# EAGLE board 14202-RedBoard-Panel (EAGLE 9.0.1), part 4 of 6
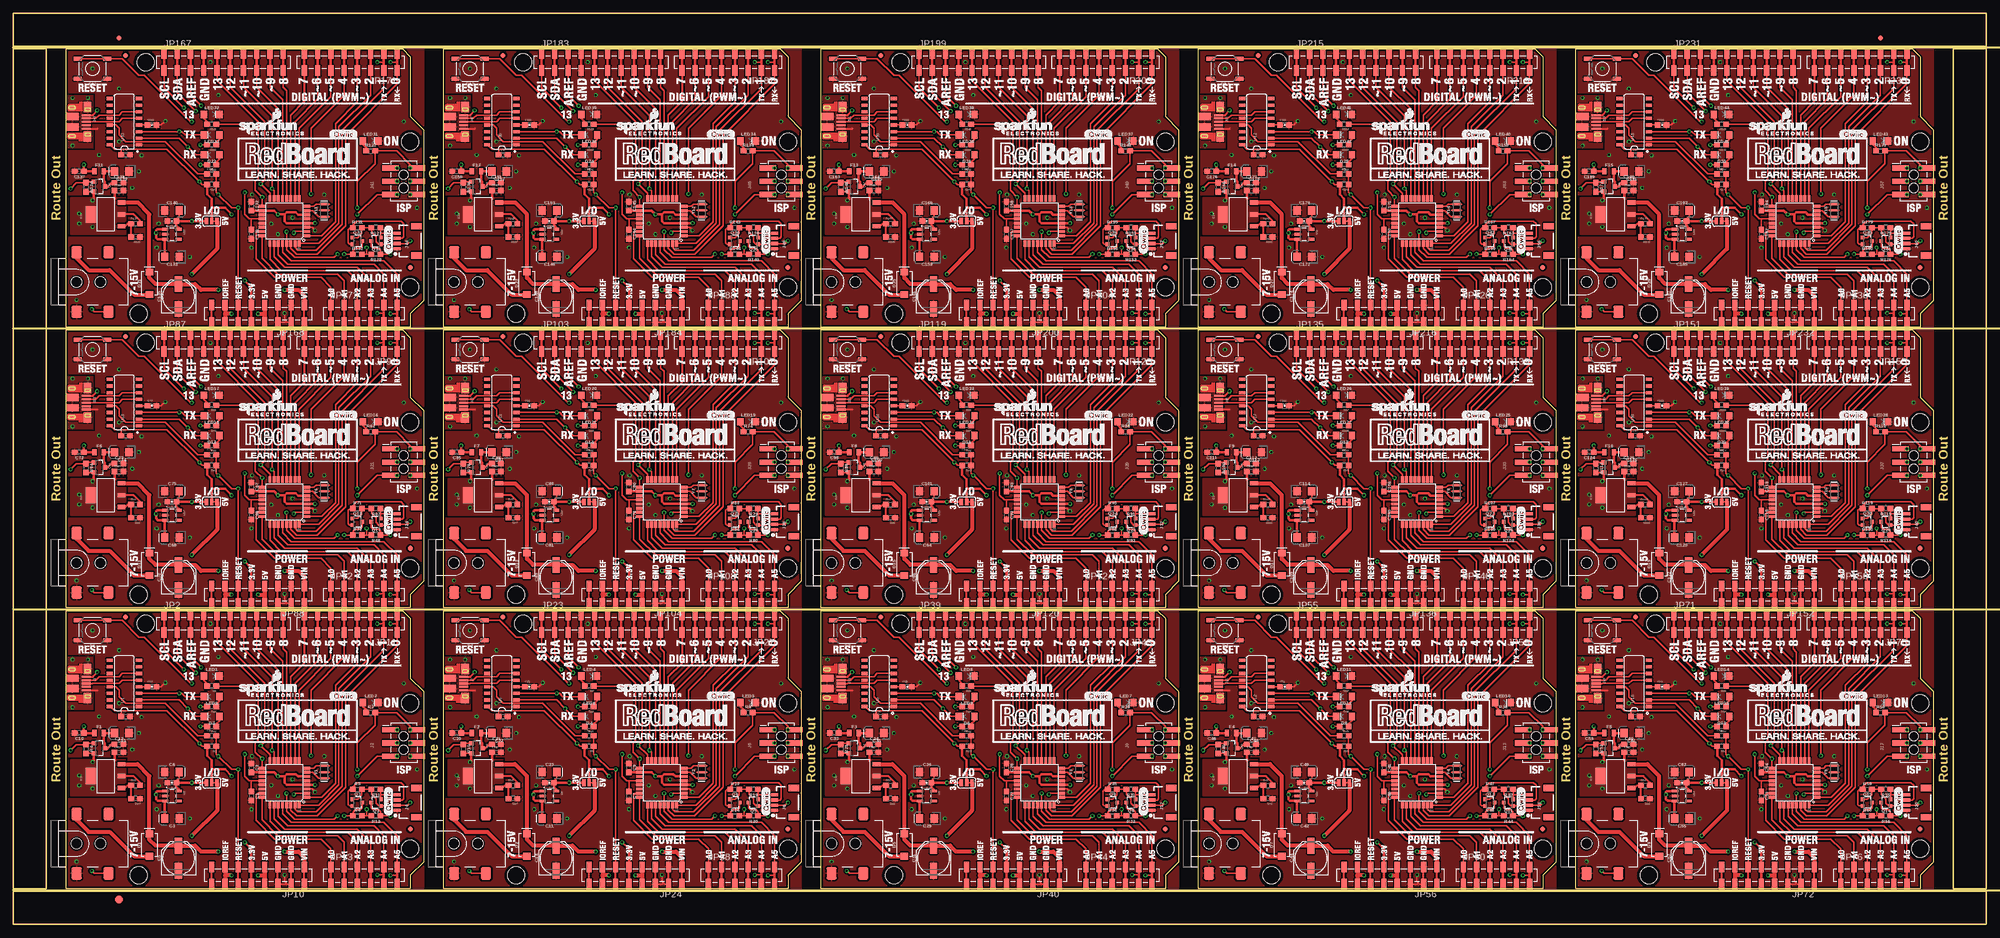
[diagram p0: board, top side]
## Tracks (layer width: path | path; a pad name or v marks a point on that pad's centre or on a via) (continued)
GND13  (via drill 0.38, 0.38 pad 0.51) (continued)
  other vias: 232.41,164.08 292.1,153.92 267.97,132.33 255.02,165.35 270.76,135.51 276.86,139.95 263.02,139.95 229.36,119.76 256.54,159 294.64,137.41 245.11,134.37 244.73,129.79 293.37,139.95 233.68,147.57 241.3,144.4 241.81,147.45 240.03,141.22 237.49,150.11 237.49,160.27 251.08,128.02 262.89,129.79 266.7,134.37
  pour Top (isolate 0.305, rank 2): 227.33,167.89 295.91,167.89 295.91,114.55 227.33,114.55
  pour Bottom (isolate 0.305, rank 2): 227.33,167.89 295.91,167.89 295.91,114.55 227.33,114.55
GND14  (via drill 0.38, 0.38 pad 0.51)
  Top 0.254: 342.9,115.44 342.14,115.44 341.95,115.63 341.63,115.95 v341.63,117.22 | C194.2 318.01,153.29 v318.77,154.05
  Top 0.305: U43.3 346.89,133.67 v347.47,133.1 | JP232.3 341.76,115.44 341.95,115.63
  Top 0.381: J59.GND 305.76,152.59
  other vias: 304.8,164.08 364.49,153.92 340.36,132.33 327.41,165.35 343.15,135.51 349.25,139.95 335.41,139.95 301.75,119.76 328.93,159 367.03,137.41 317.5,134.37 317.12,129.79 365.76,139.95 306.07,147.57 313.69,144.4 314.2,147.45 312.42,141.22 309.88,150.11 309.88,160.27 323.47,128.02 335.28,129.79 339.09,134.37
  pour Top (isolate 0.305, rank 2): 299.72,167.89 368.3,167.89 368.3,114.55 299.72,114.55
  pour Bottom (isolate 0.305, rank 2): 299.72,167.89 368.3,167.89 368.3,114.55 299.72,114.55
INSERT  (via drill 0.38)
  Top 0.305: J3.P$4 15.61,9.79 v15.11,10.29 | Q1.1 14.2,34.73 R4.1 12.15,34.5 v11.05,33.4
  Bottom 0.305: v15.11,10.29 15.11,19.18 11.05,23.24 v11.05,33.4
INSERT1  (via drill 0.38)
  Top 0.305: J6.P$4 88,9.79 v87.5,10.29 | Q4.1 86.59,34.73 R10.1 84.54,34.5 v83.44,33.4
  Bottom 0.305: v87.5,10.29 87.5,19.18 83.44,23.24 v83.44,33.4
INSERT2  (via drill 0.38)
  Top 0.305: J10.P$4 160.39,9.79 v159.89,10.29 | Q7.1 158.98,34.73 R28.1 156.93,34.5 v155.83,33.4
  Bottom 0.305: v159.89,10.29 159.89,19.18 155.83,23.24 v155.83,33.4
INSERT3  (via drill 0.38)
  Top 0.305: J14.P$4 232.78,9.79 v232.28,10.29 | Q10.1 231.37,34.73 R40.1 229.32,34.5 v228.22,33.4
  Bottom 0.305: v232.28,10.29 232.28,19.18 228.22,23.24 v228.22,33.4
INSERT4  (via drill 0.38)
  Top 0.305: J18.P$4 305.17,9.79 v304.67,10.29 | Q13.1 303.76,34.73 R52.1 301.71,34.5 v300.61,33.4
  Bottom 0.305: v304.67,10.29 304.67,19.18 300.61,23.24 v300.61,33.4
INSERT5  (via drill 0.38)
  Top 0.305: J22.P$4 15.61,63.64 v15.11,64.14 | Q16.1 14.2,88.58 R64.1 12.15,88.35 v11.05,87.25
  Bottom 0.305: v15.11,64.14 15.11,73.03 11.05,77.09 v11.05,87.25
INSERT6  (via drill 0.38)
  Top 0.305: J26.P$4 88,63.64 v87.5,64.14 | Q19.1 86.59,88.58 R76.1 84.54,88.35 v83.44,87.25
  Bottom 0.305: v87.5,64.14 87.5,73.03 83.44,77.09 v83.44,87.25
INSERT7  (via drill 0.38)
  Top 0.305: J30.P$4 160.39,63.64 v159.89,64.14 | Q22.1 158.98,88.58 R88.1 156.93,88.35 v155.83,87.25
  Bottom 0.305: v159.89,64.14 159.89,73.03 155.83,77.09 v155.83,87.25
INSERT8  (via drill 0.38)
  Top 0.305: J34.P$4 232.78,63.64 v232.28,64.14 | Q25.1 231.37,88.58 R100.1 229.32,88.35 v228.22,87.25
  Bottom 0.305: v232.28,64.14 232.28,73.03 228.22,77.09 v228.22,87.25
INSERT9  (via drill 0.38)
  Top 0.305: J38.P$4 305.17,63.64 v304.67,64.14 | Q28.1 303.76,88.58 R112.1 301.71,88.35 v300.61,87.25
  Bottom 0.305: v304.67,64.14 304.67,73.03 300.61,77.09 v300.61,87.25
INSERT10  (via drill 0.38)
  Top 0.305: J42.P$4 15.61,117.49 v15.11,117.98 | Q31.1 14.2,142.43 R124.1 12.15,142.2 v11.05,141.1
  Bottom 0.305: v15.11,117.98 15.11,126.87 11.05,130.94 v11.05,141.1
INSERT11  (via drill 0.38)
  Top 0.305: J46.P$4 88,117.49 v87.5,117.98 | Q34.1 86.59,142.43 R136.1 84.54,142.2 v83.44,141.1
  Bottom 0.305: v87.5,117.98 87.5,126.87 83.44,130.94 v83.44,141.1
INSERT12  (via drill 0.38)
  Top 0.305: J50.P$4 160.39,117.49 v159.89,117.98 | Q37.1 158.98,142.43 R148.1 156.93,142.2 v155.83,141.1
  Bottom 0.305: v159.89,117.98 159.89,126.87 155.83,130.94 v155.83,141.1
INSERT13  (via drill 0.38)
  Top 0.305: J54.P$4 232.78,117.49 v232.28,117.98 | Q40.1 231.37,142.43 R160.1 229.32,142.2 v228.22,141.1
  Bottom 0.305: v232.28,117.98 232.28,126.87 228.22,130.94 v228.22,141.1
INSERT14  (via drill 0.38)
  Top 0.305: J58.P$4 305.17,117.49 v304.67,117.98 | Q43.1 303.76,142.43 R172.1 301.71,142.2 v300.61,141.1
  Bottom 0.305: v304.67,117.98 304.67,126.87 300.61,130.94 v300.61,141.1
IO1
  Top 0.254: JP27.3B JP27.3A
  Top 0.305: JP27.3A 140.97,51.31 134.87,45.21 134.87,26.8 130.96,22.89 U2.32
IO2
  Top 0.254: JP11.3B JP11.3A
  Top 0.305: JP11.3A 68.58,51.31 62.48,45.21 62.48,26.8 58.57,22.89 U4.32
IO3
  Top 0.254: JP11.4A 66.04,56.39 | JP11.4B 66.04,55.12
  Top 0.305: 66.04,56.39 66.04,55.12 66.04,50.04 61.85,45.85 61.85,27.05 59.18,24.38 58.93,24.38 58.92,24.38 U4.1
IO4  (via drill 0.38)
  Top 0.254: JP11.5B JP11.5A
  Top 0.305: v57.15,32.38 57.15,44.96 63.5,51.31 JP11.5A | U4.2 54.1,25.18 v53.85,24.92
  Bottom 0.305: v53.85,24.92 57.15,28.23 v57.15,32.38
IO5
  Top 0.254: JP11.6A JP11.6B
  Top 0.305: U4.9 54.87,44.96 60.96,51.05 JP11.6B
IO6
  Top 0.254: 58.42,50.58 JP11.7A JP11.7B
  Top 0.305: U4.10 54.07,46.23 58.42,50.58
IO7
  Top 0.254: JP11.8A 55.88,56.39 JP11.8B
  Top 0.305: U4.11 53.27,47.5 55.88,50.11
  Top 0.356: 55.88,56.39 55.88,50.11
IO8
  Top 0.254: JP2.10A JP2.10B
  Top 0.305: U4.12 52.47,52.18 51.82,52.83 JP2.10B
IO9
  Top 0.254: JP2.9A JP2.9B
  Top 0.305: U4.13 51.67,50.44 49.28,52.83 JP2.9B
IO10
  Top 0.254: JP27.4A 138.43,56.39 | JP27.4B 138.43,55.12
  Top 0.305: 138.43,56.39 138.43,55.12 138.43,50.04 134.24,45.85 134.24,27.05 131.57,24.38 131.32,24.38 131.31,24.38 U2.1
IO11  (via drill 0.38)
  Top 0.254: JP27.5B JP27.5A
  Top 0.305: v129.54,32.38 129.54,44.96 135.89,51.31 JP27.5A | U2.2 126.49,25.18 v126.24,24.92
  Bottom 0.305: v126.24,24.92 129.54,28.23 v129.54,32.38
IO12
  Top 0.254: JP27.6A JP27.6B
  Top 0.305: U2.9 127.26,44.96 133.35,51.05 JP27.6B
IO13
  Top 0.254: 130.81,50.58 JP27.7A JP27.7B
  Top 0.305: U2.10 126.46,46.23 130.81,50.58
IO14
  Top 0.254: JP27.8A 128.27,56.39 JP27.8B
  Top 0.305: U2.11 125.66,47.5 128.27,50.11
  Top 0.356: 128.27,56.39 128.27,50.11
IO15
  Top 0.254: JP23.10A JP23.10B
  Top 0.305: U2.12 124.86,52.18 124.21,52.83 JP23.10B
IO16
  Top 0.254: JP23.9A JP23.9B
  Top 0.305: U2.13 124.06,50.44 121.67,52.83 JP23.9B
IO17
  Top 0.254: JP43.3B JP43.3A
  Top 0.305: JP43.3A 213.36,51.31 207.26,45.21 207.26,26.8 203.35,22.89 U7.32
IO18
  Top 0.254: JP43.4A 210.82,56.39 | JP43.4B 210.82,55.12
  Top 0.305: 210.82,56.39 210.82,55.12 210.82,50.04 206.63,45.85 206.63,27.05 203.96,24.38 203.71,24.38 203.7,24.38 U7.1
IO19  (via drill 0.38)
  Top 0.254: JP43.5B JP43.5A
  Top 0.305: v201.93,32.38 201.93,44.96 208.28,51.31 JP43.5A | U7.2 198.88,25.18 v198.63,24.92
  Bottom 0.305: v198.63,24.92 201.93,28.23 v201.93,32.38
IO20
  Top 0.254: JP43.6A JP43.6B
  Top 0.305: U7.9 199.65,44.96 205.74,51.05 JP43.6B
IO21
  Top 0.254: 203.2,50.58 JP43.7A JP43.7B
  Top 0.305: U7.10 198.85,46.23 203.2,50.58
IO22
  Top 0.254: JP43.8A 200.66,56.39 JP43.8B
  Top 0.305: U7.11 198.05,47.5 200.66,50.11
  Top 0.356: 200.66,56.39 200.66,50.11
IO23
  Top 0.254: JP39.10A JP39.10B
  Top 0.305: U7.12 197.25,52.18 196.6,52.83 JP39.10B
IO24
  Top 0.254: JP39.9A JP39.9B
  Top 0.305: U7.13 196.45,50.44 194.06,52.83 JP39.9B
IO25
  Top 0.254: JP59.3B JP59.3A
  Top 0.305: JP59.3A 285.75,51.31 279.65,45.21 279.65,26.8 275.74,22.89 U10.32
IO26
  Top 0.254: JP59.4A 283.21,56.39 | JP59.4B 283.21,55.12
  Top 0.305: 283.21,56.39 283.21,55.12 283.21,50.04 279.02,45.85 279.02,27.05 276.35,24.38 276.1,24.38 276.09,24.38 U10.1
IO27  (via drill 0.38)
  Top 0.254: JP59.5B JP59.5A
  Top 0.305: v274.32,32.38 274.32,44.96 280.67,51.31 JP59.5A | U10.2 271.27,25.18 v271.02,24.92
  Bottom 0.305: v271.02,24.92 274.32,28.23 v274.32,32.38
IO28
  Top 0.254: JP59.6A JP59.6B
  Top 0.305: U10.9 272.04,44.96 278.13,51.05 JP59.6B
IO29
  Top 0.254: 275.59,50.58 JP59.7A JP59.7B
  Top 0.305: U10.10 271.24,46.23 275.59,50.58
IO30
  Top 0.254: JP59.8A 273.05,56.39 JP59.8B
  Top 0.305: U10.11 270.44,47.5 273.05,50.11
  Top 0.356: 273.05,56.39 273.05,50.11
IO31
  Top 0.254: JP55.10A JP55.10B
  Top 0.305: U10.12 269.64,52.18 268.99,52.83 JP55.10B
IO32
  Top 0.254: JP55.9A JP55.9B
  Top 0.305: U10.13 268.84,50.44 266.45,52.83 JP55.9B
IO33
  Top 0.254: JP75.3B JP75.3A
  Top 0.305: JP75.3A 358.14,51.31 352.04,45.21 352.04,26.8 348.13,22.89 U13.32
IO34
  Top 0.254: JP75.4A 355.6,56.39 | JP75.4B 355.6,55.12
  Top 0.305: 355.6,56.39 355.6,55.12 355.6,50.04 351.41,45.85 351.41,27.05 348.74,24.38 348.49,24.38 348.48,24.38 U13.1
IO35  (via drill 0.38)
  Top 0.254: JP75.5B JP75.5A
  Top 0.305: v346.71,32.38 346.71,44.96 353.06,51.31 JP75.5A | U13.2 343.66,25.18 v343.41,24.92
  Bottom 0.305: v343.41,24.92 346.71,28.23 v346.71,32.38
IO36
  Top 0.254: JP75.6A JP75.6B
  Top 0.305: U13.9 344.43,44.96 350.52,51.05 JP75.6B
IO37
  Top 0.254: 347.98,50.58 JP75.7A JP75.7B
  Top 0.305: U13.10 343.63,46.23 347.98,50.58
IO38
  Top 0.254: JP75.8A 345.44,56.39 JP75.8B
  Top 0.305: U13.11 342.83,47.5 345.44,50.11
  Top 0.356: 345.44,56.39 345.44,50.11
IO39
  Top 0.254: JP71.10A JP71.10B
  Top 0.305: U13.12 342.03,52.18 341.38,52.83 JP71.10B
IO40
  Top 0.254: JP71.9A JP71.9B
  Top 0.305: U13.13 341.23,50.44 338.84,52.83 JP71.9B
IO41
  Top 0.254: JP91.3B JP91.3A
  Top 0.305: JP91.3A 68.58,105.16 62.48,99.06 62.48,80.65 58.57,76.73 U16.32
IO42
  Top 0.254: JP91.4A 66.04,110.24 | JP91.4B 66.04,108.97
  Top 0.305: 66.04,110.24 66.04,108.97 66.04,103.89 61.85,99.7 61.85,80.9 59.18,78.23 58.93,78.23 58.92,78.23 U16.1
IO43  (via drill 0.38)
  Top 0.254: JP91.5B JP91.5A
  Top 0.305: v57.15,86.23 57.15,98.81 63.5,105.16 JP91.5A | U16.2 54.1,79.03 v53.85,78.77
  Bottom 0.305: v53.85,78.77 57.15,82.07 v57.15,86.23
IO44
  Top 0.254: JP91.6A JP91.6B
  Top 0.305: U16.9 54.87,98.81 60.96,104.9 JP91.6B
IO45
  Top 0.254: 58.42,104.43 JP91.7A JP91.7B
  Top 0.305: U16.10 54.07,100.08 58.42,104.43
IO46
  Top 0.254: JP91.8A 55.88,110.24 JP91.8B
  Top 0.305: U16.11 53.27,101.35 55.88,103.96
  Top 0.356: 55.88,110.24 55.88,103.96
IO47
  Top 0.254: JP87.10A JP87.10B
  Top 0.305: U16.12 52.47,106.03 51.82,106.68 JP87.10B
IO48
  Top 0.254: JP87.9A JP87.9B
  Top 0.305: U16.13 51.67,104.29 49.28,106.68 JP87.9B
IO49
  Top 0.254: JP107.3B JP107.3A
  Top 0.305: JP107.3A 140.97,105.16 134.87,99.06 134.87,80.65 130.96,76.73 U19.32
IO50
  Top 0.254: JP107.4A 138.43,110.24 | JP107.4B 138.43,108.97
  Top 0.305: 138.43,110.24 138.43,108.97 138.43,103.89 134.24,99.7 134.24,80.9 131.57,78.23 131.32,78.23 131.31,78.23 U19.1
IO51  (via drill 0.38)
  Top 0.254: JP107.5B JP107.5A
  Top 0.305: v129.54,86.23 129.54,98.81 135.89,105.16 JP107.5A | U19.2 126.49,79.03 v126.24,78.77
  Bottom 0.305: v126.24,78.77 129.54,82.07 v129.54,86.23
IO52
  Top 0.254: JP107.6A JP107.6B
  Top 0.305: U19.9 127.26,98.81 133.35,104.9 JP107.6B
IO53
  Top 0.254: 130.81,104.43 JP107.7A JP107.7B
  Top 0.305: U19.10 126.46,100.08 130.81,104.43
IO54
  Top 0.254: JP107.8A 128.27,110.24 JP107.8B
  Top 0.305: U19.11 125.66,101.35 128.27,103.96
  Top 0.356: 128.27,110.24 128.27,103.96
IO55
  Top 0.254: JP103.10A JP103.10B
  Top 0.305: U19.12 124.86,106.03 124.21,106.68 JP103.10B
IO56
  Top 0.254: JP103.9A JP103.9B
  Top 0.305: U19.13 124.06,104.29 121.67,106.68 JP103.9B
IO57
  Top 0.254: JP123.3B JP123.3A
  Top 0.305: JP123.3A 213.36,105.16 207.26,99.06 207.26,80.65 203.35,76.73 U22.32
IO58
  Top 0.254: JP123.4A 210.82,110.24 | JP123.4B 210.82,108.97
  Top 0.305: 210.82,110.24 210.82,108.97 210.82,103.89 206.63,99.7 206.63,80.9 203.96,78.23 203.71,78.23 203.7,78.23 U22.1
IO59  (via drill 0.38)
  Top 0.254: JP123.5B JP123.5A
  Top 0.305: v201.93,86.23 201.93,98.81 208.28,105.16 JP123.5A | U22.2 198.88,79.03 v198.63,78.77
  Bottom 0.305: v198.63,78.77 201.93,82.07 v201.93,86.23
IO60
  Top 0.254: JP123.6A JP123.6B
  Top 0.305: U22.9 199.65,98.81 205.74,104.9 JP123.6B
IO61
  Top 0.254: 203.2,104.43 JP123.7A JP123.7B
  Top 0.305: U22.10 198.85,100.08 203.2,104.43
IO62
  Top 0.254: JP123.8A 200.66,110.24 JP123.8B
  Top 0.305: U22.11 198.05,101.35 200.66,103.96
  Top 0.356: 200.66,110.24 200.66,103.96
IO63
  Top 0.254: JP119.10A JP119.10B
  Top 0.305: U22.12 197.25,106.03 196.6,106.68 JP119.10B
IO64
  Top 0.254: JP119.9A JP119.9B
  Top 0.305: U22.13 196.45,104.29 194.06,106.68 JP119.9B
IO65
  Top 0.254: JP139.3B JP139.3A
  Top 0.305: JP139.3A 285.75,105.16 279.65,99.06 279.65,80.65 275.74,76.73 U25.32
IO66
  Top 0.254: JP139.4A 283.21,110.24 | JP139.4B 283.21,108.97
  Top 0.305: 283.21,110.24 283.21,108.97 283.21,103.89 279.02,99.7 279.02,80.9 276.35,78.23 276.1,78.23 276.09,78.23 U25.1
IO67  (via drill 0.38)
  Top 0.254: JP139.5B JP139.5A
  Top 0.305: v274.32,86.23 274.32,98.81 280.67,105.16 JP139.5A | U25.2 271.27,79.03 v271.02,78.77
  Bottom 0.305: v271.02,78.77 274.32,82.07 v274.32,86.23
IO68
  Top 0.254: JP139.6A JP139.6B
  Top 0.305: U25.9 272.04,98.81 278.13,104.9 JP139.6B
IO69
  Top 0.254: 275.59,104.43 JP139.7A JP139.7B
  Top 0.305: U25.10 271.24,100.08 275.59,104.43
IO70
  Top 0.254: JP139.8A 273.05,110.24 JP139.8B
  Top 0.305: U25.11 270.44,101.35 273.05,103.96
  Top 0.356: 273.05,110.24 273.05,103.96
IO71
  Top 0.254: JP135.10A JP135.10B
  Top 0.305: U25.12 269.64,106.03 268.99,106.68 JP135.10B
IO72
  Top 0.254: JP135.9A JP135.9B
  Top 0.305: U25.13 268.84,104.29 266.45,106.68 JP135.9B
IO73
  Top 0.254: JP155.3B JP155.3A
  Top 0.305: JP155.3A 358.14,105.16 352.04,99.06 352.04,80.65 348.13,76.73 U28.32
IO74
  Top 0.254: JP155.4A 355.6,110.24 | JP155.4B 355.6,108.97
  Top 0.305: 355.6,110.24 355.6,108.97 355.6,103.89 351.41,99.7 351.41,80.9 348.74,78.23 348.49,78.23 348.48,78.23 U28.1
IO75  (via drill 0.38)
  Top 0.254: JP155.5B JP155.5A
  Top 0.305: v346.71,86.23 346.71,98.81 353.06,105.16 JP155.5A | U28.2 343.66,79.03 v343.41,78.77
  Bottom 0.305: v343.41,78.77 346.71,82.07 v346.71,86.23
IO76
  Top 0.254: JP155.6A JP155.6B
  Top 0.305: U28.9 344.43,98.81 350.52,104.9 JP155.6B
IO77
  Top 0.254: 347.98,104.43 JP155.7A JP155.7B
  Top 0.305: U28.10 343.63,100.08 347.98,104.43
IO78
  Top 0.254: JP155.8A 345.44,110.24 JP155.8B
  Top 0.305: U28.11 342.83,101.35 345.44,103.96
  Top 0.356: 345.44,110.24 345.44,103.96
IO79
  Top 0.254: JP151.10A JP151.10B
  Top 0.305: U28.12 342.03,106.03 341.38,106.68 JP151.10B
IO80
  Top 0.254: JP151.9A JP151.9B
  Top 0.305: U28.13 341.23,104.29 338.84,106.68 JP151.9B
IO81
  Top 0.254: JP171.3B JP171.3A
  Top 0.305: JP171.3A 68.58,159 62.48,152.91 62.48,134.49 58.57,130.58 U31.32
IO82
  Top 0.254: JP171.4A 66.04,164.08 | JP171.4B 66.04,162.81
  Top 0.305: 66.04,164.08 66.04,162.81 66.04,157.73 61.85,153.54 61.85,134.75 59.18,132.08 58.93,132.08 58.92,132.07 U31.1
IO83  (via drill 0.38)
  Top 0.254: JP171.5B JP171.5A
  Top 0.305: v57.15,140.08 57.15,152.65 63.5,159 JP171.5A | U31.2 54.1,132.87 v53.85,132.62
  Bottom 0.305: v53.85,132.62 57.15,135.92 v57.15,140.08
IO84
  Top 0.254: JP171.6A JP171.6B
  Top 0.305: U31.9 54.87,152.65 60.96,158.74 JP171.6B
IO85
  Top 0.254: 58.42,158.27 JP171.7A JP171.7B
  Top 0.305: U31.10 54.07,153.92 58.42,158.27
IO86
  Top 0.254: JP171.8A 55.88,164.08 JP171.8B
  Top 0.305: U31.11 53.27,155.19 55.88,157.8
  Top 0.356: 55.88,164.08 55.88,157.8
IO87
  Top 0.254: JP167.10A JP167.10B
  Top 0.305: U31.12 52.47,159.87 51.82,160.53 JP167.10B
IO88
  Top 0.254: JP167.9A JP167.9B
  Top 0.305: U31.13 51.67,158.13 49.28,160.53 JP167.9B
IO89
  Top 0.254: JP187.3B JP187.3A
  Top 0.305: JP187.3A 140.97,159 134.87,152.91 134.87,134.49 130.96,130.58 U34.32
IO90
  Top 0.254: JP187.4A 138.43,164.08 | JP187.4B 138.43,162.81
  Top 0.305: 138.43,164.08 138.43,162.81 138.43,157.73 134.24,153.54 134.24,134.75 131.57,132.08 131.32,132.08 131.31,132.07 U34.1
IO91  (via drill 0.38)
  Top 0.254: JP187.5B JP187.5A
  Top 0.305: v129.54,140.08 129.54,152.65 135.89,159 JP187.5A | U34.2 126.49,132.87 v126.24,132.62
  Bottom 0.305: v126.24,132.62 129.54,135.92 v129.54,140.08
IO92
  Top 0.254: JP187.6A JP187.6B
  Top 0.305: U34.9 127.26,152.65 133.35,158.74 JP187.6B
IO93
  Top 0.254: 130.81,158.27 JP187.7A JP187.7B
  Top 0.305: U34.10 126.46,153.92 130.81,158.27
IO94
  Top 0.254: JP187.8A 128.27,164.08 JP187.8B
  Top 0.305: U34.11 125.66,155.19 128.27,157.8
  Top 0.356: 128.27,164.08 128.27,157.8
IO95
  Top 0.254: JP183.10A JP183.10B
  Top 0.305: U34.12 124.86,159.87 124.21,160.53 JP183.10B
IO96
  Top 0.254: JP183.9A JP183.9B
  Top 0.305: U34.13 124.06,158.13 121.67,160.53 JP183.9B
IO97
  Top 0.254: JP203.3B JP203.3A
  Top 0.305: JP203.3A 213.36,159 207.26,152.91 207.26,134.49 203.35,130.58 U37.32
IO98
  Top 0.254: JP203.4A 210.82,164.08 | JP203.4B 210.82,162.81
  Top 0.305: 210.82,164.08 210.82,162.81 210.82,157.73 206.63,153.54 206.63,134.75 203.96,132.08 203.71,132.08 203.7,132.07 U37.1
IO99  (via drill 0.38)
  Top 0.254: JP203.5B JP203.5A
  Top 0.305: v201.93,140.08 201.93,152.65 208.28,159 JP203.5A | U37.2 198.88,132.87 v198.63,132.62
  Bottom 0.305: v198.63,132.62 201.93,135.92 v201.93,140.08
IO100
  Top 0.254: JP203.6A JP203.6B
  Top 0.305: U37.9 199.65,152.65 205.74,158.74 JP203.6B
IO101
  Top 0.254: 203.2,158.27 JP203.7A JP203.7B
  Top 0.305: U37.10 198.85,153.92 203.2,158.27
IO102
  Top 0.254: JP203.8A 200.66,164.08 JP203.8B
  Top 0.305: U37.11 198.05,155.19 200.66,157.8
  Top 0.356: 200.66,164.08 200.66,157.8
IO103
  Top 0.254: JP199.10A JP199.10B
  Top 0.305: U37.12 197.25,159.87 196.6,160.53 JP199.10B
IO104
  Top 0.254: JP199.9A JP199.9B
  Top 0.305: U37.13 196.45,158.13 194.06,160.53 JP199.9B
IO105
  Top 0.254: JP219.3B JP219.3A
  Top 0.305: JP219.3A 285.75,159 279.65,152.91 279.65,134.49 275.74,130.58 U40.32
IO106
  Top 0.254: JP219.4A 283.21,164.08 | JP219.4B 283.21,162.81
  Top 0.305: 283.21,164.08 283.21,162.81 283.21,157.73 279.02,153.54 279.02,134.75 276.35,132.08 276.1,132.08 276.09,132.07 U40.1
IO107  (via drill 0.38)
  Top 0.254: JP219.5B JP219.5A
  Top 0.305: v274.32,140.08 274.32,152.65 280.67,159 JP219.5A | U40.2 271.27,132.87 v271.02,132.62
  Bottom 0.305: v271.02,132.62 274.32,135.92 v274.32,140.08
IO108
  Top 0.254: JP219.6A JP219.6B
  Top 0.305: U40.9 272.04,152.65 278.13,158.74 JP219.6B
IO109
  Top 0.254: 275.59,158.27 JP219.7A JP219.7B
  Top 0.305: U40.10 271.24,153.92 275.59,158.27
IO110
  Top 0.254: JP219.8A 273.05,164.08 JP219.8B
  Top 0.305: U40.11 270.44,155.19 273.05,157.8
  Top 0.356: 273.05,164.08 273.05,157.8
IO111
  Top 0.254: JP215.10A JP215.10B
  Top 0.305: U40.12 269.64,159.87 268.99,160.53 JP215.10B
IO112
  Top 0.254: JP215.9A JP215.9B
  Top 0.305: U40.13 268.84,158.13 266.45,160.53 JP215.9B
IO113
  Top 0.254: JP235.3B JP235.3A
  Top 0.305: JP235.3A 358.14,159 352.04,152.91 352.04,134.49 348.13,130.58 U43.32
IO114
  Top 0.254: JP235.4A 355.6,164.08 | JP235.4B 355.6,162.81
  Top 0.305: 355.6,164.08 355.6,162.81 355.6,157.73 351.41,153.54 351.41,134.75 348.74,132.08 348.49,132.08 348.48,132.07 U43.1
IO115  (via drill 0.38)
  Top 0.254: JP235.5B JP235.5A
  Top 0.305: v346.71,140.08 346.71,152.65 353.06,159 JP235.5A | U43.2 343.66,132.87 v343.41,132.62
  Bottom 0.305: v343.41,132.62 346.71,135.92 v346.71,140.08
IO116
  Top 0.254: JP235.6A JP235.6B
  Top 0.305: U43.9 344.43,152.65 350.52,158.74 JP235.6B
IO117
  Top 0.254: 347.98,158.27 JP235.7A JP235.7B
  Top 0.305: U43.10 343.63,153.92 347.98,158.27
IO118
  Top 0.254: JP235.8A 345.44,164.08 JP235.8B
  Top 0.305: U43.11 342.83,155.19 345.44,157.8
  Top 0.356: 345.44,164.08 345.44,157.8
IO119
  Top 0.254: JP231.10A JP231.10B
  Top 0.305: U43.12 342.03,159.87 341.38,160.53 JP231.10B
IO120
  Top 0.254: JP231.9A JP231.9B
  Top 0.305: U43.13 341.23,158.13 338.84,160.53 JP231.9B
LV_SCL
  Top 0.305: Q2.2 70.52,24.89 | 70.52,24.89 70.52,25.83 R11.1 | J4.4 70.55,24.87 70.52,24.89
LV_SCL1
  Top 0.305: Q5.2 142.91,24.89 | 142.91,24.89 142.91,25.83 R19.1 | J8.4 142.94,24.87 142.91,24.89
LV_SCL2
  Top 0.305: Q8.2 215.3,24.89 | 215.3,24.89 215.3,25.83 R31.1 | J12.4 215.32,24.87 215.3,24.89
LV_SCL3
  Top 0.305: Q11.2 287.69,24.89 | 287.69,24.89 287.69,25.83 R43.1 | J16.4 287.72,24.87 287.69,24.89
LV_SCL4
  Top 0.305: Q14.2 360.08,24.89 | 360.08,24.89 360.08,25.83 R55.1 | J20.4 360.11,24.87 360.08,24.89
LV_SCL5
  Top 0.305: Q17.2 70.52,78.74 | 70.52,78.74 70.52,79.68 R67.1 | J24.4 70.55,78.72 70.52,78.74
LV_SCL6
  Top 0.305: Q20.2 142.91,78.74 | 142.91,78.74 142.91,79.68 R79.1 | J28.4 142.94,78.72 142.91,78.74
LV_SCL7
  Top 0.305: Q23.2 215.3,78.74 | 215.3,78.74 215.3,79.68 R91.1 | J32.4 215.32,78.72 215.3,78.74
LV_SCL8
  Top 0.305: Q26.2 287.69,78.74 | 287.69,78.74 287.69,79.68 R103.1 | J36.4 287.72,78.72 287.69,78.74
LV_SCL9
  Top 0.305: Q29.2 360.08,78.74 | 360.08,78.74 360.08,79.68 R115.1 | J40.4 360.11,78.72 360.08,78.74
LV_SCL10
  Top 0.305: Q32.2 70.52,132.59 | 70.52,132.59 70.52,133.53 R127.1 | J44.4 70.55,132.56 70.52,132.59
LV_SCL11
  Top 0.305: Q35.2 142.91,132.59 | 142.91,132.59 142.91,133.53 R139.1 | J48.4 142.94,132.56 142.91,132.59
LV_SCL12
  Top 0.305: Q38.2 215.3,132.59 | 215.3,132.59 215.3,133.53 R151.1 | J52.4 215.32,132.56 215.3,132.59
LV_SCL13
  Top 0.305: Q41.2 287.69,132.59 | 287.69,132.59 287.69,133.53 R163.1 | J56.4 287.72,132.56 287.69,132.59
LV_SCL14
  Top 0.305: Q44.2 360.08,132.59 | 360.08,132.59 360.08,133.53 R175.1 | J60.4 360.11,132.56 360.08,132.59
LV_SDA
  Top 0.305: J4.3 74.67,23.87 74.93,24.13 74.93,26.67 74.42,27.18 65.91,27.18 65.19,26.46 R5.1 64.64,25.91 64.26,25.53 64.26,22.99 64.53,22.72 Q3.2
LV_SDA1
  Top 0.305: J8.3 147.06,23.87 147.32,24.13 147.32,26.67 146.81,27.18 138.3,27.18 137.58,26.46 R23.1 137.03,25.91 136.65,25.53 136.65,22.99 136.92,22.72 Q6.2
LV_SDA2
  Top 0.305: J12.3 219.45,23.87 219.71,24.13 219.71,26.67 219.2,27.18 210.69,27.18 209.97,26.46 R35.1 209.42,25.91 209.04,25.53 209.04,22.99 209.31,22.72 Q9.2
LV_SDA3
  Top 0.305: J16.3 291.84,23.87 292.1,24.13 292.1,26.67 291.59,27.18 283.08,27.18 282.36,26.46 R47.1 281.81,25.91 281.43,25.53 281.43,22.99 281.7,22.72 Q12.2
LV_SDA4
  Top 0.305: J20.3 364.23,23.87 364.49,24.13 364.49,26.67 363.98,27.18 355.47,27.18 354.75,26.46 R59.1 354.2,25.91 353.82,25.53 353.82,22.99 354.09,22.72 Q15.2
LV_SDA5
  Top 0.305: J24.3 74.67,77.72 74.93,77.98 74.93,80.52 74.42,81.03 65.91,81.03 65.19,80.3 R71.1 64.64,79.76 64.26,79.38 64.26,76.84 64.53,76.57 Q18.2
LV_SDA6
  Top 0.305: J28.3 147.06,77.72 147.32,77.98 147.32,80.52 146.81,81.03 138.3,81.03 137.58,80.3 R83.1 137.03,79.76 136.65,79.38 136.65,76.84 136.92,76.57 Q21.2
LV_SDA7
  Top 0.305: J32.3 219.45,77.72 219.71,77.98 219.71,80.52 219.2,81.03 210.69,81.03 209.97,80.3 R95.1 209.42,79.76 209.04,79.38 209.04,76.84 209.31,76.57 Q24.2
LV_SDA8
  Top 0.305: J36.3 291.84,77.72 292.1,77.98 292.1,80.52 291.59,81.03 283.08,81.03 282.36,80.3 R107.1 281.81,79.76 281.43,79.38 281.43,76.84 281.7,76.57 Q27.2
LV_SDA9
  Top 0.305: J40.3 364.23,77.72 364.49,77.98 364.49,80.52 363.98,81.03 355.47,81.03 354.75,80.3 R119.1 354.2,79.76 353.82,79.38 353.82,76.84 354.09,76.57 Q30.2
LV_SDA10
  Top 0.305: J44.3 74.67,131.56 74.93,131.83 74.93,134.37 74.42,134.87 65.91,134.87 65.19,134.15 R131.1 64.64,133.6 64.26,133.22 64.26,130.68 64.53,130.41 Q33.2
LV_SDA11
  Top 0.305: J48.3 147.06,131.56 147.32,131.83 147.32,134.37 146.81,134.87 138.3,134.87 137.58,134.15 R143.1 137.03,133.6 136.65,133.22 136.65,130.68 136.92,130.41 Q36.2
LV_SDA12
  Top 0.305: J52.3 219.45,131.56 219.71,131.83 219.71,134.37 219.2,134.87 210.69,134.87 209.97,134.15 R155.1 209.42,133.6 209.04,133.22 209.04,130.68 209.31,130.41 Q39.2
LV_SDA13
  Top 0.305: J56.3 291.84,131.56 292.1,131.83 292.1,134.37 291.59,134.87 283.08,134.87 282.36,134.15 R167.1 281.81,133.6 281.43,133.22 281.43,130.68 281.7,130.41 Q42.2
LV_SDA14
  Top 0.305: J60.3 364.23,131.56 364.49,131.83 364.49,134.37 363.98,134.87 355.47,134.87 354.75,134.15 R179.1 354.2,133.6 353.82,133.22 353.82,130.68 354.09,130.41 Q45.2